# KiCad board Jumperless2.kicad_pcb (continued)
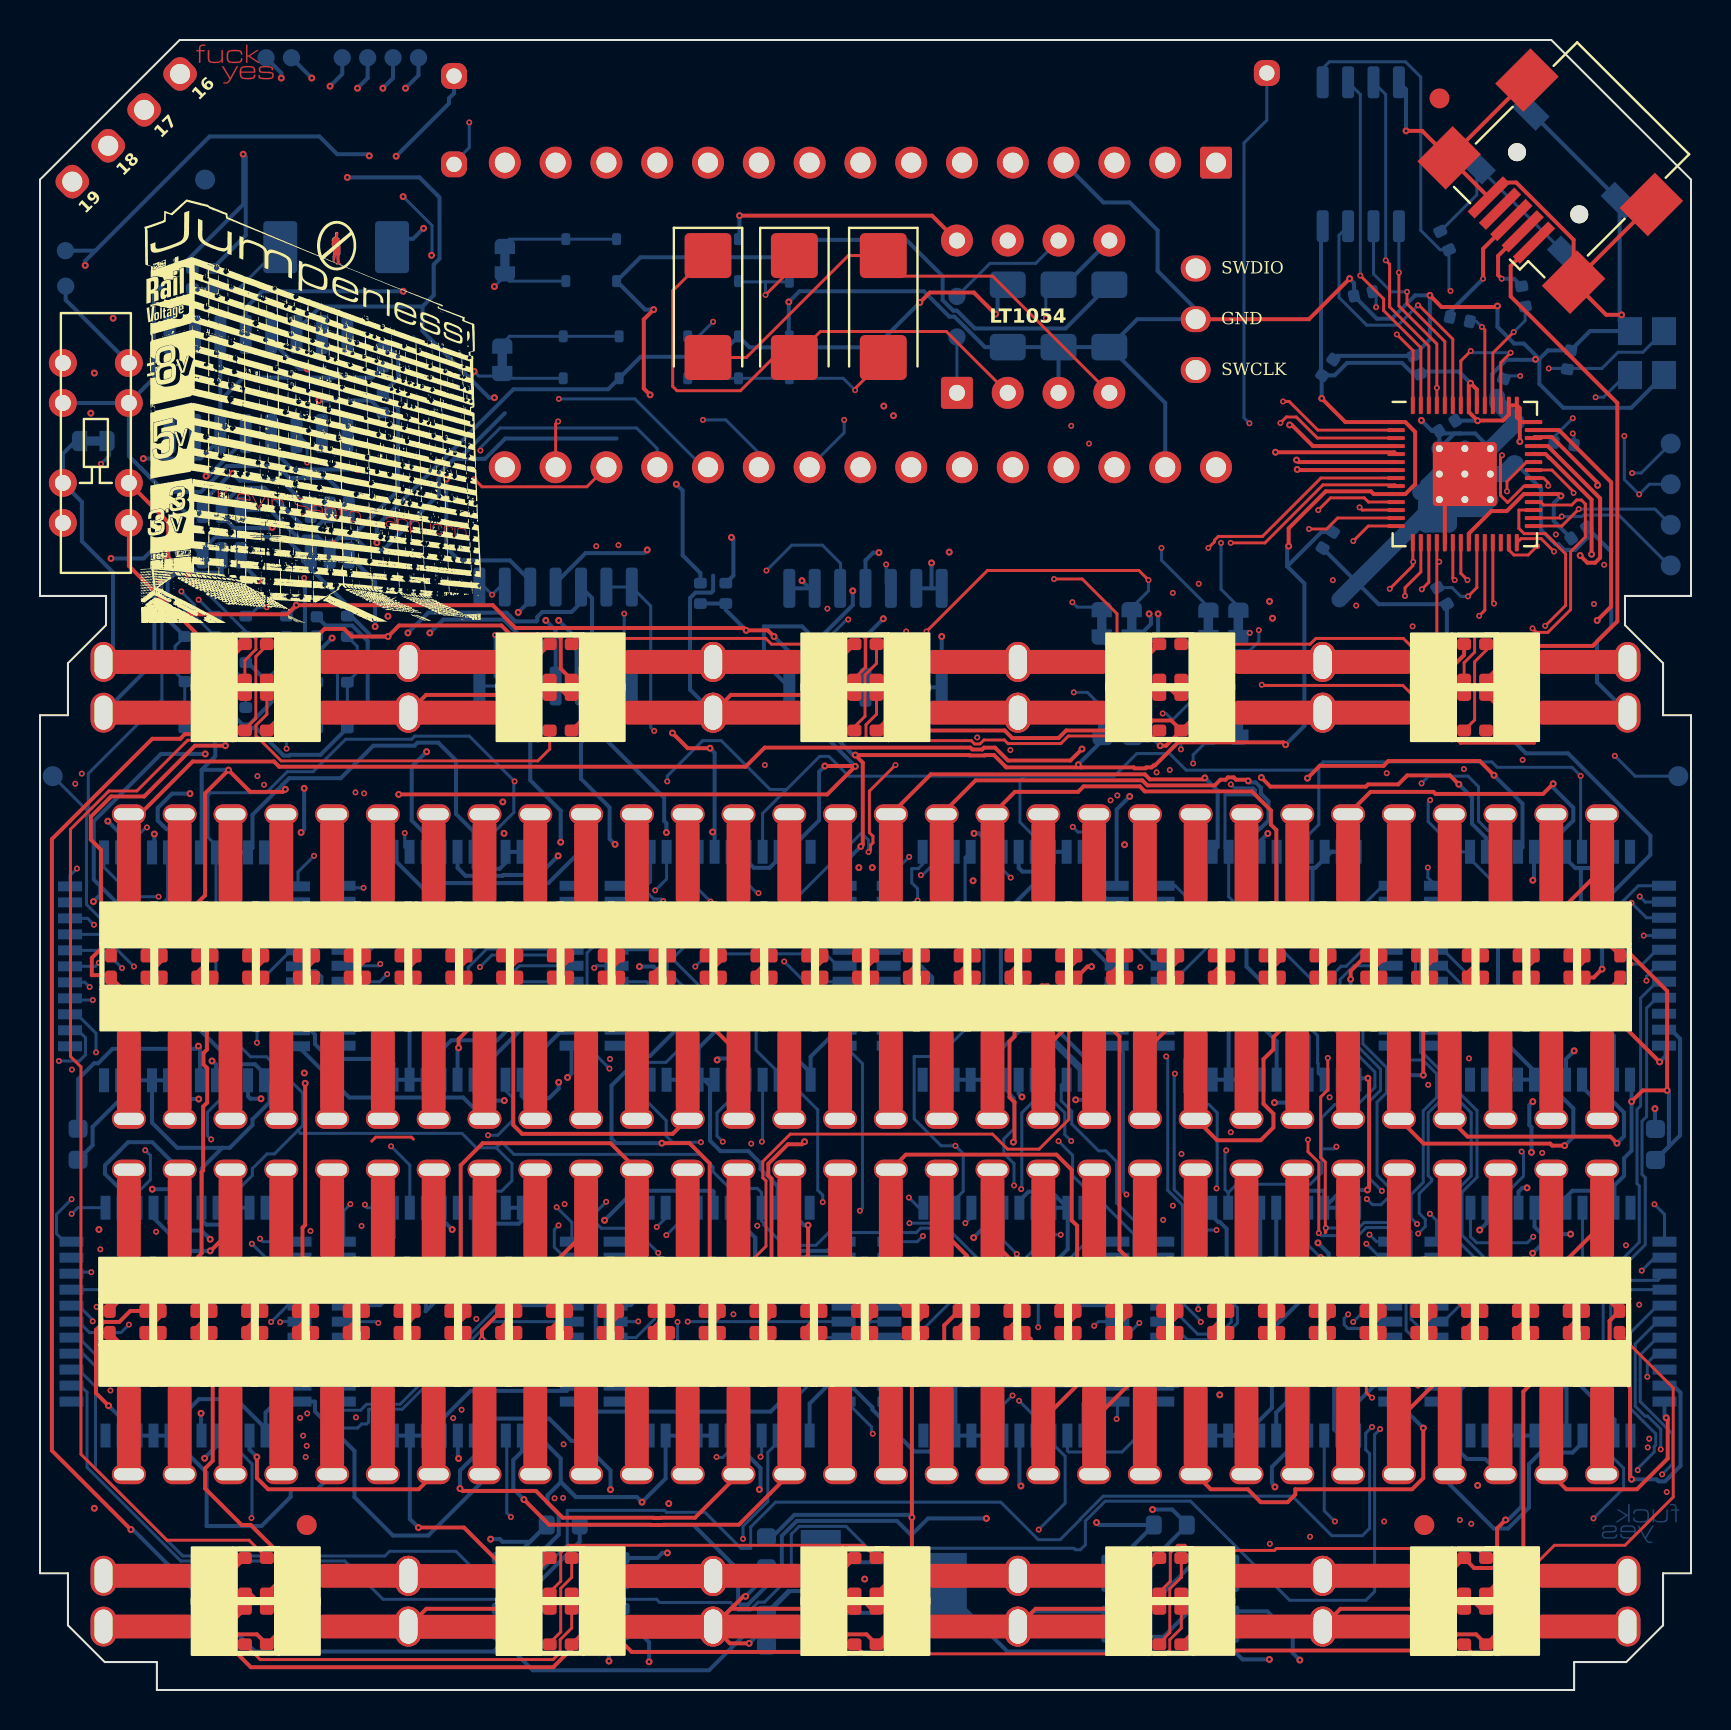
[diagram p0: board, top side]
## Routing (per net, layer and track width the routed paths; a pad name or vN(x,y) marks a point on that pad's centre or on a via; arc(x,y) is an arc through that point) (continued)
/EF1: length 18.6
  Bottom w0.15: F5.6 22.49,18.43 18.11,14.05 16.43,14.05 16.43,13.41 16.33,13.31 16.08,13.31 15.88,13.11 15.04,13.11 14.07,14.07 14.07,16.08 13.33,16.83
/EG0: length 91.8
  Top w0.15: v1(66.53,16.02) 66.32,15.81 66.32,14.88 66.55,14.66 66.57,14.66 v1(66.6,14.63)
  In2.Cu w0.15: v1(65.66,18.41) 66.5,17.58 66.5,16.18 ; v1(66.6,13.16) 66.5,13.26 66.5,14.55 66.57,14.63 v1(66.6,14.63)
  Bottom w0.15: v1(66.6,13.16) 66.29,12.84 66.29,12.02 66.48,11.83 66.48,8.09 66.12,7.72 64.59,7.72 62.61,9.7 53.16,9.7 52.02,8.56 52.02,8.53 51,7.52 49.91,7.52 48.04,9.4 36.78,9.4 35.53,8.15 35.53,7.09 35.05,7.09 33.25,8.89 31.33,8.89 31.23,8.99 26.36,8.99 26.36,7.26 25.18,6.08 22.58,6.08 22.56,6.1 21.64,6.1 20.8,6.94 17.48,6.94 17.25,6.71 7.14,6.71 2.77,11.07 2.77,15.18 1.93,16.03 ; G1.5 66.47,19.23 v1(65.66,18.41)
/EG1: length 96.5
  In2.Cu w0.15: v1(65.41,18.8) 65.21,18.59 65.21,18.28 66.14,17.35 66.14,15.63 67.01,14.76 v1(67.01,13.06)
  Bottom w0.15: 2.02,15.23 2.35,14.89 2.35,11.14 7.04,6.45 15.24,6.45 17.15,4.54 30.83,4.54 30.99,4.38 34.53,4.38 34.91,4 35.51,4 35.91,4.39 36.23,4.39 37.57,5.73 37.57,7.8 37.96,8.19 40.3,8.19 41.4,7.09 51.69,7.09 51.77,7.02 52.02,7.02 52.27,7.27 52.27,8.46 53.26,9.45 57.52,9.45 62.48,4.49 66.29,4.49 66.73,4.93 66.73,12.78 v1(67.01,13.06) ; 67.16,18.43 66.82,18.09 65.4,18.09 65.21,18.28 65.21,18.59 v1(65.41,18.8)
/EH0: length 91.2
  In1.Cu w0.15: v1(13.34,12.22) 13.4,12.28 25.51,12.28 25.88,12.65 29.06,12.65 29.21,12.49 33.79,12.49 34.04,12.24 34.14,12.24 34.27,12.11 36.43,12.11 37.02,11.52 79.36,11.52 v1(79.88,11)
  In2.Cu w0.15: v1(11,22.58) 11.15,22.58 13.86,19.87 13.86,14.35 14.14,14.06 14.14,13.03 v1(13.34,12.22)
  Bottom w0.15: E1.1 11.15,22.43 v1(11,22.58) ; 80.87,19.23 79.51,17.87 79.51,17.42 79.51,14.09 80.15,13.46 80.79,12.82 80.79,12.25 80.71,12.18 80.71,11.91 79.88,11.08 v1(79.88,11)
/EH1: length 90.1
  In1.Cu w0.15: v1(13.16,12.73) 25.6,12.73 25.77,12.9 29.16,12.9 29.32,12.74 33.89,12.74 34.14,12.49 34.25,12.49 34.38,12.36 38.04,12.36 38.58,11.81 80.81,11.81 v1(81.04,12.04)
  In2.Cu w0.15: v1(13.16,12.73) 13.84,13.41 13.84,13.94 13.56,14.22 13.56,19.74 12.02,21.29 11.63,21.29 v1(10.59,22.33)
  Bottom w0.15: v1(81.04,12.04) 81.04,13.05 80.38,13.71 80.25,13.71 79.76,14.2 79.76,17.32 80.87,18.43 ; E1.2 11.29,21.63 v1(10.59,22.33)
/FG0: length 55.2
  In1.Cu w0.15: v1(16.72,15.89) 17.01,15.6 19.74,15.6 20.03,15.89 29.92,15.89 30.15,16.12 30.56,16.12 30.94,15.74 39.54,15.74 40.31,16.51 43.71,16.51 43.84,16.63 44.66,16.63 44.8,16.76 49.96,16.76 50.14,16.94 52.02,16.94 52.22,16.74 55.7,16.74 57.18,15.27 58.01,15.27 58.37,15.62 58.37,15.65 59.38,16.66 65.05,16.66 v1(65.13,16.58)
  Bottom w0.15: v1(16.72,15.89) 16.72,15.95 16.68,15.95 16.61,16.03 16.28,16.03 16.18,15.93 15.85,15.93 15.75,16.03 F5.25 ; v1(65.13,16.58) 65.8,17.25 67.14,17.25 G1.7
/FG1: length 56
  In1.Cu w0.15: v1(61.01,15.62) 60.48,15.09 59.45,15.09 59.37,15.17 58.82,15.17 58.59,14.94 58.59,14.8 58.37,14.58 55.09,14.58 54.05,15.62 45.19,15.62 44.55,16.26 43.82,16.26 43.82,16.26 40.41,16.26 39.65,15.49 30.84,15.49 30.46,15.87 30.25,15.87 30.02,15.64 20.14,15.64 19.84,15.35 16.91,15.35 16.91,15.35 16.66,15.35 v1(16.41,15.6)
  Bottom w0.15: v1(61.01,15.62) 61.01,16.18 61.98,17.14 64.01,17.14 64.9,16.26 65.74,16.26 66.24,16.76 67.45,16.76 ; F5.24 16.04,15.23 v1(16.41,15.6)
/FH0: length 81.8
  In1.Cu w0.15: v1(81.11,10.79) 80,9.68 64.19,9.68 63.94,9.43 48.56,9.43 48.27,9.72 42.16,9.72 41.87,9.43 31.9,9.43 31.6,9.73 31.27,9.73 30.56,9.02 26.75,9.02 v1(26.16,9.61)
  In2.Cu w0.15: v1(26.16,9.61) 26.16,11.06 26.85,11.76 26.85,23.13 v1(25.83,24.16)
  Bottom w0.15: v1(25.83,24.16) 26.59,23.4 F5.1 ; v1(81.11,10.79) 81.64,11.32 81.64,12.8 80.01,14.43 80.01,16.77 80.87,17.63
/FH1: length 80.8
  In1.Cu w0.15: v1(25.73,9.59) 25.73,9.51 26.44,8.8 26.62,8.8 26.65,8.77 42.13,8.77 42.43,9.07 48,9.07 48.29,8.78 52.64,8.78 52.64,8.78 53.01,8.78 53.16,8.63 56.78,8.63 57.01,8.86 69.43,8.86 69.88,9.31 71.68,9.31 71.76,9.38 80.55,9.38 80.58,9.42 80.85,9.42 v1(81.34,9.91)
  In2.Cu w0.15: v1(81.34,9.91) 81.64,10.21 81.64,12.47 80.39,13.72 80.39,15.65 v1(80.37,15.67) ; v1(25.73,9.59) 25.83,9.7 25.83,11.16 26.55,11.88 26.55,22.62 v1(25.93,23.25)
  Bottom w0.15: v1(80.37,15.67) 80.37,16.37 80.82,16.83 ; v1(25.93,23.25) 25.72,23.04 25.72,22.16 26.24,21.63
/GH0: length 10.4
  In2.Cu w0.15: v1(68.43,15.6) 67.94,16.09 67.94,21.32 v1(66.47,22.78)
  Bottom w0.15: v1(66.47,22.78) 66.83,22.43 G1.1 ; v1(68.43,15.6) 69.04,15.6 69.47,16.03
/GH1: length 10.5
  In2.Cu w0.15: v1(68.89,15.23) 68.26,15.23 67.69,15.8 67.69,20.96 v1(66.32,22.33)
  Bottom w0.15: 67.02,21.63 v1(66.32,22.33) ; H1.24 v1(68.89,15.23)
/QSPI_SCLK: length 10.9
  Top w0.15: U9.52 70.24,67.46 68.35,69.35 v1(68.35,69.95)
  Bottom w0.15: v1(68.35,69.95) 67.56,69.95 66.67,70.84 U8.6
/QSPI_SD0: length 9.8
  Top w0.15: v1(67.95,70.92) 67.95,69.24 69.84,67.34 v1(69.84,65.15) U9.53
  Bottom w0.15: U8.5 v1(67.95,70.92)
/QSPI_SD1: length 17.7
  Top w0.15: U9.55 69.04,67.15 67.18,69.02 67.18,69.6 v1(66.01,70.76)
  Bottom w0.15: U8.2 66.01,79.83 v1(66.01,70.76)
/QSPI_SD2: length 17.3
  Top w0.15: v1(67.28,71.53) 67.48,71.33 67.48,69.2 69.44,67.24 U9.54
  Bottom w0.15: U8.3 67.28,79.83 v1(67.28,71.53)
/QSPI_SD3: length 14.4
  Top w0.15: 70.64,64.28 70.64,67.59 68.95,69.28 v1(68.9,69.28)
  Bottom w0.15: v1(68.9,69.28) 67.9,68.28 66.34,68.28 64.95,69.67 64.95,72.78 U8.7
/QSPI_SS: length 24.4
  Top w0.15: 68.64,64.27 68.64,66.61 68.66,66.62 68.66,67.01 v1(67.84,67.82)
  In1.Cu w0.15: v1(70.53,70) 70.53,69.94 68.4,67.82 v1(67.84,67.82)
  Bottom w0.15: v1(70.53,70) 70.45,70.08 R5.1 70.01,72.05 69.04,73.02 69.04,80.7 68.27,81.46 64.47,81.46 64.14,81.13
/SWCLK: length 30.8
  Top w0.15: U9.24 72.24,54.02 v1(71.96,53.74)
  In1.Cu w0.15: v1(56.64,54.89) 62.89,54.89 64.2,53.57 71.79,53.57 v1(71.96,53.74)
  In2.Cu w0.15: 57.53,65.58 57.56,65.56 57.56,55.8 v1(56.64,54.89)
/SWD: length 35.3
  Top w0.15: 72.64,57.4 72.64,54.41 v1(72.7,54.36)
  In1.Cu w0.15: v1(57.94,55.35) 62.78,55.35 64.31,53.82 71.09,53.82 71.63,54.36 v1(72.7,54.36)
  In2.Cu w0.15: v1(57.94,55.35) 57.81,55.48 57.81,64.01 58.81,65.01 58.81,70.09 J1.3
/USB_D+: length 6.1
  Top w0.2: 73.57,73.52 72.15,72.1 v1(72.15,70.6)
  Bottom w0.2: R2.1 70.5,68.94 v1(72.15,70.6)
/USB_D-: length 4.1
  Top w0.2: J5.2 72.9,71.75 72.9,70.79 v1(73.09,70.6)
  Bottom w0.2: R3.1 73.7,70.6 v1(73.09,70.6)
/XIN: length 28.3
  Top w0.15: v1(70.73,55.53) 70.64,55.62 70.64,57.4
  In1.Cu w0.15: v1(74.01,65.74) 75.36,64.39 77.5,64.39 v1(77.78,64.68) ; v1(77.7,54.33) 76.96,55.07 71.19,55.07 v1(70.73,55.53)
  In2.Cu w0.15: v1(77.78,64.68) 79.54,62.91 79.54,62.6 79.26,62.32 79.26,56.6 77.7,55.04 v1(77.7,54.33)
  Bottom w0.15: v1(77.78,64.68) 78.18,64.68 79.29,65.79 ; 73.33,65.74 v1(74.01,65.74)
/XOUT: length 19.4
  Top w0.15: U9.21 71.04,55.86 v1(71.37,55.53)
  In1.Cu w0.15: v1(78.21,56.29) 77.33,55.42 71.48,55.42 v1(71.37,55.53)
  In2.Cu w0.15: v1(76.64,63.63) 78.94,61.32 78.94,57.03 v1(78.21,56.29)
  Bottom w0.15: 75.76,62.42 75.76,62.75 v1(76.64,63.63)
/~{USB_BOOT}: length 10.3
  Bottom w0.15: R5.2 71.84,74.81 SW1.2 SW1.2
A0: length 80.8
  In1.Cu w0.15: v1(20.65,38.46) 20.86,38.68 23.97,38.68 23.98,38.67 v1(29.96,38.67) 30.03,38.74 36.9,38.74 37.09,38.93 37.13,38.93 37.35,39.15 43.6,39.15 v1(43.63,39.19)
  In2.Cu w0.15: v1(43.63,39.19) 44,38.81 44,37.61 44.1,37.51 44.1,35.19 43.61,34.7 43.61,34.42 42.88,33.69 42.88,32.94 43.62,32.2 43.62,25.73 42.97,25.09 42.97,22.38 v1(43.87,21.49) ; v1(20.65,38.46) 20.9,38.71 20.9,58.36 22.55,60.01 22.55,60.46 22.02,60.99 v1(22.02,62.01)
  Bottom w0.15: A1.19 30.86,62.1 29.82,63.14 23.01,63.14 22.02,62.15 v1(22.02,62.01) ; I1.31 29.93,38.63 v1(29.96,38.67) ; K1.31 43.21,20.83 v1(43.87,21.49)
A1: length 78.9
  In1.Cu w0.15: v1(43.74,20.75) 43.12,20.75 42.23,21.64 39.77,21.64 39.76,21.65 33.87,21.65 32.53,20.31 30.45,20.31 v1(30.22,20.54) 30.12,20.43 28.14,20.43 28.14,20.56 27.93,20.76 27.64,20.76 27.49,20.61 26.07,20.61 25.73,20.95 23.97,20.95 v1(23.7,20.69)
  In2.Cu w0.15: v1(25.94,64.59) 24.77,63.42 24.77,45.19 23.69,44.12 23.69,43.15 23.55,43.01 23.55,41.9 23.42,41.78 23.42,41.44 23.35,41.36 23.35,41.21 23.22,41.08 23.22,37.94 23.91,37.24 23.91,29.19 23.6,28.87 23.6,20.79 v1(23.7,20.69)
  Bottom w0.15: v1(25.94,64.59) 29.74,64.59 33.16,61.17 A1.20 ; 42.87,20.03 43.25,20.41 43.25,20.52 43.48,20.75 v1(43.74,20.75) ; v1(30.22,20.54) 29.71,20.03 J6.30
A2: length 69.8
  In1.Cu w0.15: v1(31.72,38.35) 35.7,38.35 35.79,38.26 35.79,38.21 36,38 36.05,38 36.62,37.43 45.16,37.43 v1(45.78,38.06)
  In2.Cu w0.15: v1(31.72,38.35) 32.06,38.69 32.06,42.76 31.31,43.51 31.31,44.12 32.17,44.97 32.17,62.56 v1(33.15,63.54) ; v1(45.78,38.06) 45.78,34.35 46.16,33.98 46.16,25.73 45.64,25.22 45.64,21.58 v1(43.69,19.62)
  Bottom w0.15: v1(33.15,63.54) 34.29,63.54 35.94,61.89 A1.21 ; K1.29 43.29,19.23 v1(43.69,19.62) ; I1.29 30.4,37.03 v1(31.72,38.35)
A3: length 75.7
  In1.Cu w0.15: v1(31.88,18.41) 31.81,18.34 30.01,18.34 v1(29.91,18.44) ; v1(30.36,15.44) 30.56,15.24 40.77,15.24 v1(41.4,15.88)
  In2.Cu w0.15: v1(40.21,63.54) 40.05,63.38 40.05,53.81 40.03,53.8 40.03,45.16 41.08,44.12 41.08,43.51 40.54,42.98 40.54,29.53 41.08,28.99 41.08,25.73 40.44,25.09 40.44,16.84 v1(41.4,15.88)
  Bottom w0.15: J6.28 29.9,18.43 v1(29.91,18.44) ; K1.28 41.53,18.43 41.4,18.3 v1(41.4,15.88) ; A1.22 40.21,62.9 v1(40.21,63.54) ; v1(31.88,18.41) 31.88,17.4 32.64,16.64 32.64,16 32.08,15.44 v1(30.36,15.44)
A4: length 43.8
  In1.Cu w0.15: v1(31.78,33.91) 31.78,34.32 31.84,34.38 32.58,34.38 32.69,34.48 37.38,34.48 37.98,33.89 41.36,33.89 v1(41.45,33.8)
  In2.Cu w0.15: A1.23 41.99,60.21 41.99,57.86 41.47,57.34 41.47,42.91 42.22,42.16 42.22,34.56 v1(41.45,33.8)
  Bottom w0.15: L1.25 41.49,33.83 v1(41.45,33.8) ; v1(31.78,33.91) 31.57,33.91 31.48,34 31.48,34.28 30.33,35.43 I1.27
A5: length 63.7
  In1.Cu w0.15: v1(37.86,16.06) 35.57,16.06 35.27,16.37 v1(31.99,16.37) ; v1(38.73,33.55) 38.93,33.36 43.31,33.36 v1(43.58,33.64)
  In2.Cu w0.15: v1(38.73,33.55) 39.06,33.23 39.06,28.94 38.98,28.85 38.98,28.3 39.06,28.21 39.06,26.4 38.98,26.31 38.98,25.76 39.75,24.98 39.75,17.95 v1(37.86,16.06) ; A1.24 44.58,60.16 44.58,57.51 43.71,56.64 43.71,43.37 44.4,42.68 44.4,38.45 44.26,38.31 44.26,37.73 44.4,37.6 44.4,35.07 43.91,34.58 43.91,34.3 43.58,33.97 v1(43.58,33.64)
  Bottom w0.15: v1(31.99,16.37) 31.53,16.83 J6.26 ; L1.24 42.98,33.03 v1(43.58,33.64)
A6: length 35.3
  In1.Cu w0.15: v1(45.96,38.89) 45.93,38.86 37.52,38.86 v1(37.24,38.58)
  In2.Cu w0.15: v1(45.96,38.89) 45.9,38.95 45.9,43.26 46.16,43.51 46.16,56.26 47.24,57.34 47.24,60.03 A1.25
  Bottom w0.15: v1(37.24,38.58) 37.81,38.01 39.25,38.01 39.88,38.63
A7: length 57.3
  In1.Cu w0.15: v1(37.97,20.83) 38.43,20.83 38.74,21.14 42.02,21.14 43.22,19.95 48.23,19.95 v1(48.51,20.23)
  In2.Cu w0.15: A1.26 49.78,60.03 49.78,56.9 47.84,54.95 47.84,44.68 47.99,44.54 48.28,44.54 48.7,44.12 48.7,41.01 48.91,40.8 48.91,40.49 48.78,40.36 48.78,34.82 48.7,34.74 48.7,28.27 48.11,27.68 48.11,26.93 48.7,26.34 48.7,25.73 48.11,25.14 48.11,20.64 v1(48.51,20.23)
  Bottom w0.15: v1(37.97,20.83) 39.03,20.83 39.83,20.03
ADC_BUFFERED_5V_0: length 49.1
  Top w0.2: U9.38 75.28,61.83 75.48,61.63 75.5,61.63 77.58,59.55 v2(77.58,56.82)
  In1.Cu w0.2: v2(38.1,55.5) 40.55,55.5 40.98,55.93 55.59,55.93 55.6,55.92 66.24,55.92 66.61,55.56 70.06,55.56 70.43,55.93 73.78,55.93 73.94,55.77 76.55,55.77 77.58,56.8 v2(77.58,56.82)
  Bottom w0.2: v2(38.1,55.5) 38.48,55.11 U11.2 U11.1
ADC_BUFFERED_5V_1: length 44.4
  Top w0.2: v2(77.01,56.76) 77.37,56.4 77.76,56.4 78,56.65 78,59.62 75.39,62.23 U9.39
  In1.Cu w0.2: v2(77.01,56.76) 76.37,56.12 74.08,56.12 73.91,56.29 70.3,56.29 69.92,55.91 66.75,55.91 66.44,56.22 55.72,56.22 55.55,56.39 46.57,56.39 46.47,56.29 44.67,56.29 v2(44.58,56.39)
  Bottom w0.2: 44.58,55.11 v2(44.58,56.39) ; 44.58,55.11 U11.6 ; 44.58,55.11 U11.7
ADC_BUFFERED_5V_2: length 48.4
  Top w0.2: v2(77.88,60.27) 77.88,60.4 75.59,62.68 74.73,62.68 U9.40
  In1.Cu w0.2: v2(77.88,60.27) 76.91,61.25 74.16,61.25 72.74,62.66 66.98,62.66 61.36,57.04 59.68,57.04 59.68,57.04 58.81,57.04 58.56,56.79 58.56,56.78 58.55,56.77 55.95,56.77 55.78,56.94 45.47,56.94 v2(45.46,56.93)
  In2.Cu w0.2: v2(45.46,56.93) 45.09,56.55 v2(45.09,52.7)
  Bottom w0.2: v2(45.09,52.7) U11.8 U11.9
ADC_BUFFERED_+-8V_3: length 65.3
  Top w0.2: U9.41 75.95,63.03 78.56,60.42 78.56,54.21 v2(77.86,53.51)
  In1.Cu w0.2: v2(40.64,54.99) 40.65,54.98 51.56,54.98 51.57,54.99 52.2,54.99 54.7,52.49 60.96,52.49 61.12,52.65 73.59,52.65 73.62,52.61 76.96,52.61 v2(77.86,53.51)
  Bottom w0.2: U11.14 36.2,51.44 36.2,53.21 38.1,53.21 38.73,52.58 U11.13 38.73,52.38 40.64,54.28 v2(40.64,54.99)
ADC_UNBUFFERED_5V_0: length 83.6
  In1.Cu w0.2: v2(23.14,44.43) 23.4,44.17 23.4,43.06 v2(23.2,42.86) ; v2(44.61,34.29) 44.61,33.96 43.69,33.04 36.18,33.04 35.06,34.16 32.83,34.16 31.64,32.98 30.76,32.98 v2(30.3,33.43) 30,33.73 23.55,33.73 v2(23.47,33.66)
  In2.Cu w0.2: v2(23.14,44.43) 23.32,44.61 23.32,45.25 23.38,45.3 23.38,53.38 v2(23.91,53.91) ; v2(23.2,42.86) 22.87,42.53 22.87,39.7 22.31,39.14 22.31,39.04 22.29,39.01 22.29,38.94 22.16,38.81 22.16,38.08 23.47,36.76 v2(23.47,33.66) ; v2(18.28,80.14) 22.17,76.24 22.17,62.66 20.31,60.8 v2(20.31,60.58)
  Bottom w0.2: L1.29 43.23,37.03 44.61,35.66 v2(44.61,34.29) ; v2(20.31,60.58) 20.31,57.16 20.95,56.51 23.5,56.51 24.51,55.5 24.51,55.45 ; TP9.1 18.92,80.78 v2(18.28,80.14) ; I1.24 29.9,33.03 v2(30.3,33.43) ; v2(23.91,53.91) 23.91,53.91 24.51,54.51
ADC_UNBUFFERED_5V_1: length 96.1
  In1.Cu w0.2: v2(41.62,41.15) 41.62,41.15 41.62,41.36 41.48,41.5 41.19,41.5 40.91,41.78 29.28,41.78 v2(28.75,42.31)
  In2.Cu w0.2: v2(41.62,41.15) 41.62,38.78 v2(41.21,38.38) ; v2(28.75,42.31) 29.24,41.83 29.24,36.63 29.2,36.59 29.2,29.32 29.18,29.32 28.75,28.89 28.75,28.26 29.24,27.77 29.24,27.18 28.75,26.69 28.75,18.25 v2(30.52,16.47) ; v2(17.15,80.14) 17.52,80.51 18.43,80.51 20.92,78.02 23.58,78.02 24.51,77.09 24.51,70.92 26.9,68.52 26.9,54.48 v2(25.93,53.51)
  Bottom w0.2: v2(17.15,80.14) 17.65,80.64 TP10.1 ; v2(25.93,53.51) 26.83,52.61 26.83,50.45 U7.10 27.05,45.59 28.48,44.16 28.48,42.58 v2(28.75,42.31) ; 42.08,36.23 41.21,37.1 v2(41.21,38.38) ; 29.28,15.23 v2(30.52,16.47)
ADC_UNBUFFERED_5V_2: length 97.8
  In1.Cu w0.2: v2(40.94,41.15) 40.89,41.09 27.36,41.09 v2(26.04,42.42) ; v2(50.24,34.88) 50.07,35.05 41.7,35.05 v2(41.32,34.67)
  In2.Cu w0.2: v2(19.49,52.88) 19.49,60.48 20.91,61.9 20.91,74.8 15.88,79.84 v2(15.88,80.14) ; v2(40.94,41.15) 40.84,41.04 40.84,35.15 v2(41.32,34.67) ; v2(50.24,34.88) 50.88,34.25 50.88,29.27 51.27,28.89 51.27,28.25 50.87,27.86 50.76,27.86 50.53,27.62 50.53,27.29 50.76,27.06 50.98,27.06 51.6,26.43 51.6,25.13 52.55,24.18 v2(52.55,20.86)
  Bottom w0.2: v2(19.49,52.88) 20.16,53.55 23.18,53.55 23.59,53.14 23.59,53.14 24.51,52.22 U7.12 24.51,45.52 26.04,43.99 v2(26.04,42.42) ; 42.08,35.43 v2(41.32,34.67) ; TP11.1 16.38,80.64 v2(15.88,80.14) ; v2(52.55,20.86) 53.32,21.63 K1.2
ADC_UNBUFFERED_+-8V_3: length 84.2
  In1.Cu w0.2: v2(46.65,40.49) 44.52,42.63 41.83,42.63 40.72,42.63 40.6,42.5 31.72,42.5 v2(31.32,42.9)
  In2.Cu w0.2: v2(46.73,34.08) 46.73,34.19 46.19,34.73 46.19,35.62 46.06,35.75 46.06,37.71 46.19,37.84 46.19,38.5 46.7,39 46.7,40.45 v2(46.65,40.49) ; v2(14.5,80.24) 15.01,80.24 19.98,75.27 19.98,61.82 18.4,60.24 v2(18.4,52.88)
  Bottom w0.2: v2(18.4,52.88) 19.41,53.9 23.33,53.9 23.49,53.74 23.49,53.74 23.77,53.46 24.82,53.46 24.87,53.51 24.87,53.69 25.11,53.93 26.58,53.93 27.05,54.41 ; v2(31.32,42.9) 31.32,43.36 31.21,43.47 31.21,44.63 27.6,48.24 27.6,54.63 U7.5 ; v2(46.73,34.08) 46.51,33.87 44.43,33.87 43.67,34.63 L1.26 ; v2(14.5,80.24) 15.11,80.85 TP12.1
AI: length 32.3
  In1.Cu w0.15: v1(2.7,38.29) 3.43,39.02 17.4,39.02 17.93,38.49 19.94,38.49 20.17,38.71 20.24,38.71 20.65,39.12 v1(30.81,39.12)
  Bottom w0.15: v1(2.7,38.29) 2.38,38.61 A2.31 ; v1(30.81,39.12) 30.3,39.12 29.18,40.23
AJ: length 50
  In1.Cu w0.15: v1(3.02,22.05) 3.49,21.57 8.67,21.57 8.91,21.8 8.91,21.82 8.96,21.87 27.31,21.87 27.35,21.91 28.04,21.91 28.08,21.87 v1(30.91,21.87)
  In2.Cu w0.15: v1(4.7,36.19) 4.7,32 3.12,30.42 3.12,25.56 3.91,24.76 3.91,22.94 v1(3.02,22.05)
  Bottom w0.15: v1(30.91,21.87) 30.35,22.43 J6.33 ; A2.30 3.09,37.81 v1(4.7,36.19)
AK: length 47.5
  In1.Cu w0.15: v1(13.52,22.97) 14.26,22.22 31.43,22.22 31.91,22.71 33.16,22.71 33.35,22.9 40.6,22.9 40.7,22.9 40.72,22.89 42.75,22.89 42.95,22.69 44.13,22.69 v1(44.15,22.71)
  In2.Cu w0.15: v1(13.52,22.97) 13.52,29.6 14.1,30.17 v1(14.1,34.42)
  Bottom w0.15: v1(44.15,22.71) 43.87,22.43 K1.33 ; v1(14.1,34.42) 14.1,35.68 13.78,36 13.11,36 A2.6
AL: length 45.1
  In1.Cu w0.15: v1(43.46,41.68) 42.52,40.75 36.89,40.75 36.81,40.66 16.28,40.66 16.26,40.64 2.31,40.64 v1(1.85,41.1)
  Bottom w0.15: A2.33 1.5,40.75 v1(1.85,41.1) ; L1.33 42.43,40.66 v1(43.46,41.68)
AREF: length 75.7
  Top w0.15: A1.18 27.35,60.2 22.1,60.2 v1(21.72,60.58)
  In1.Cu w0.15: v1(38.1,16.99) 37.49,17.59 24.4,17.59 23.7,16.89 23.7,16.83 23.51,16.64 23.24,16.64 23.19,16.69 19.03,16.69 v1(18.8,16.46)
  In2.Cu w0.15: v1(21.72,60.58) 20.45,59.31 20.45,45.95 18.61,44.12 18.61,43.51 19.23,42.9 19.23,29.49 18.61,28.88 18.61,25.73 18.21,25.34 18.21,20.81 18.8,20.23 v1(18.8,16.46)
  Bottom w0.15: J6.8 38.25,16.83 v1(38.1,16.99)
BI: length 19
  In1.Cu w0.15: v1(30.76,40) 19.51,40 v1(18.82,39.32)
  Bottom w0.15: I1.35 31.33,40.57 v1(30.76,40) ; v1(18.82,39.32) 16.54,37.03 B1.29
BJ: length 31.9
  In1.Cu w0.15: v1(30.84,23.16) 30.31,22.64 16.66,22.64 v1(16.08,23.22)
  In2.Cu w0.15: v1(16.08,23.22) 16.94,24.08 16.94,24.86 16.07,25.73 16.07,35.38 v1(17.01,36.33)
  Bottom w0.15: 31.28,23.61 v1(30.84,23.16) ; v1(17.01,36.33) 16.92,36.23 B1.28
BK: length 31.1
  In1.Cu w0.15: v1(43.47,23.36) 43.39,23.44 40.94,23.44 40.48,23.9 26.63,23.9 v1(26.23,24.31)
  In2.Cu w0.15: v1(25.53,34.14) 26.82,32.84 26.82,29.47 26.23,28.88 v1(26.23,24.31)
  Bottom w0.15: v1(25.53,34.14) 26.02,34.63 B1.8 ; 44.97,23.61 44.72,23.36 v1(43.47,23.36)
BL: length 30.3
  In1.Cu w0.15: v1(16.18,40.13) 16.41,40.36 36.93,40.36 37.02,40.45 43.72,40.45 v1(44.04,40.77)
  Bottom w0.15: v1(44.04,40.77) 44.12,40.77 44.93,41.58 ; v1(16.18,40.13) 15.28,40.13
BOTTOM_RAIL: length 134.7
  Top w0.2: SW2.7 6.41,58.42 v2(6.41,56.57) ; v2(8.31,33.27) 8.34,33.24 8.34,32.04 8.18,31.87 8.18,31.29 8.36,31.11 8.36,29.39 8.16,29.19 8.16,25.99 8.08,25.91 8.08,21.84 7.04,20.8 v2(6.3,20.8)
  In1.Cu w0.2: 18.43,5.7 J4.63 34.21,5.15 35.22,5.15 35.22,5.15 41.65,5.15 42.21,5.71 J4.63 ; 79,6.09 64.51,6.09 ; J4.63 J4.63 ; 63.66,6.19 49.37,6.19
  In2.Cu w0.2: J4.63 3.18,8.06 5.64,10.52 5.64,20.14 v2(6.3,20.8) ; v2(6.41,56.57) 5.56,55.72 5.56,48.92 8.31,46.17 v2(8.31,33.27)
CI: length 33.7
  In1.Cu w0.15: v1(33.53,39.45) 36.76,39.45 37.13,39.82 44.01,39.82 44.04,39.8 58.12,39.8 v1(59.56,38.35)
  Bottom w0.15: I1.37 32.93,40.05 v1(33.53,39.45) ; 56.64,35.44 v1(59.56,38.35)
CJ: length 53.8
  In1.Cu w0.15: v1(61.29,20.23) 60.82,19.76 52.1,19.76 50.95,20.91 48.14,20.91 47.73,20.5 44.5,20.5 43.87,21.13 43.09,21.13 42.33,21.89 39.87,21.89 39.86,21.9 33.77,21.9 33.58,21.71 33.37,21.71 v1(32.59,20.93)
  In2.Cu w0.15: v1(61.29,20.23) 61.28,20.24 61.28,25.61 61.42,25.75 61.42,29.03 60.96,29.49 60.96,34.63 v1(60.95,34.64)
  Bottom w0.15: v1(60.95,34.64) 60.39,35.2 59.2,35.2 58.63,34.64 C26.26 ; J6.37 32.88,21.22 v1(32.59,20.93)
CK: length 21.6
  In1.Cu w0.15: v1(56.16,23.52) 56.01,23.67 46.58,23.67 v1(46.27,23.36)
  In2.Cu w0.15: v1(57.02,33.2) 57.13,33.09 57.13,29.29 56.71,28.88 56.71,25.77 56.16,25.22 v1(56.16,23.52)
  Bottom w0.15: 46.57,23.66 v1(46.27,23.36) ; v1(57.02,33.2) 56.86,33.04 C26.24
CL: length 17.1
  In1.Cu w0.15: v1(57.97,39.03) 57.76,39.24 46.4,39.24 v1(46.28,39.13)
  Bottom w0.15: L1.37 46.25,41.65 46.25,39.16 v1(46.28,39.13) ; C26.33 56.76,40.24 v1(57.97,39.03)
CLK: length 238.1
  Top w0.15: v1(69.52,52.27) 69.84,52.6 U9.18
  In1.Cu w0.15: v1(1.58,23.82) 1.79,24.03 5.33,24.03 ; 43.38,24.36 42.27,24.36 41.81,24.81 28.63,24.81 ; 43.38,24.36 43.52,24.5 47.99,24.5 48.07,24.42 54.42,24.42 54.64,24.64 56.92,24.64 57.15,24.41 58.22,24.41 58.95,23.67 58.95,23.14 ; 43.38,24.36 43.44,24.42 v1(43.44,24.64) ; v1(5.93,39.69) 17.33,39.69 v1(17.87,39.15) 18.06,38.96 20.14,38.96 20.65,39.47 v1(31.17,39.47) 32.97,39.47 33.4,39.04 36.77,39.04 37.28,39.55 57.91,39.55 v1(58.37,39.09) 59.94,37.52 75.5,37.52 v1(75.99,38.01) ; 28.63,24.81 28.63,24.74 v1(28.31,24.42) ; 28.63,24.81 16.71,24.81 15.87,23.97 15.81,23.97 15.77,23.93 13.74,23.93 13.57,24.1 5.4,24.1 5.33,24.03 ; 5.33,24.03 5.81,23.56 v1(5.81,22.93) ; 58.95,23.14 v1(58.83,23.01) ; 58.95,23.14 59.63,23.82 59.8,23.82 59.85,23.87 65.05,23.87 65.5,23.41 67.04,23.41 67.98,22.47 74.27,22.47 74.47,22.68 v1(74.66,22.68)
  In2.Cu w0.15: v1(5.81,22.93) 6.06,23.18 6.06,25.22 5.84,25.44 5.84,39.6 v1(5.93,39.69) ; v1(69.52,52.27) 69.52,46.23 70.15,45.59 70.15,45.17 v1(69.51,44.52) ; v1(75.99,38.01) 75.99,29.52 76.64,28.88 76.64,25.22 76.64,25.22 76.64,24.65 v1(74.66,22.68)
  Bottom w0.15: v1(43.44,24.64) 43.95,24.13 K1.34 ; v1(5.93,39.69) 4.67,39.69 3.2,41.16 A2.34 ; D70.34 70.92,41.94 69.41,43.44 69.41,44.42 v1(69.51,44.52) ; 71.5,41.59 75.08,38.01 v1(75.99,38.01) ; B1.34 16.88,40.14 v1(17.87,39.15) ; G1.34 57.81,23.38 58.18,23.01 v1(58.83,23.01) ; I1.34 30.53,40.44 30.18,40.08 30.68,39.57 31.06,39.57 v1(31.17,39.47) ; v1(16.25,24.28) 16.25,24.24 16.36,24.13 F5.34 ; v1(43.88,39.5) 43.88,40.09 43.59,40.39 43.59,41.1 43.9,41.1 43.91,41.09 43.91,41.09 44.13,41.31 L1.34 ; E1.34 1.89,24.13 v1(1.58,23.82) ; 30.48,23.78 29.8,23.1 28.06,23.1 27.83,23.34 27.83,23.95 v1(28.31,24.42) ; v1(58.37,39.09) 57.83,39.62 C26.34 ; H1.34 71.52,22.68 71.83,22.38 74.36,22.38 v1(74.66,22.68)
  vias: v1(69.96,56.44)
CS_A: length 94.5
  Top w0.15: U9.8 64.04,60.63 61.12,57.71 58.92,57.71 58.73,57.52 58.73,57.45 v1(58.42,57.14)
  In1.Cu w0.15: v1(8.56,27.54) 9.33,26.78 17.63,26.78 17.64,26.76 19.02,26.76 19.03,26.75 49.51,26.75 49.51,26.76 50.82,26.76 50.82,26.75 51.77,26.75 51.84,26.82 v1(57.07,26.82)
  In2.Cu w0.15: v1(58.42,57.14) 58.94,56.62 58.94,28.24 57.51,26.82 v1(57.07,26.82)
  Bottom w0.15: v1(8.56,27.54) 8.38,27.73 8.38,28.91 9.6,30.13
CS_B: length 80.2
  Top w0.15: U9.9 67.74,60.29 64.15,60.29 61.25,57.39 v1(59.53,57.39)
  In1.Cu w0.15: v1(59.54,27.9) 59.45,27.81 22.46,27.81 v1(22.4,27.76)
  In2.Cu w0.15: v1(59.54,27.9) 59.18,28.26 59.18,57.04 v1(59.53,57.39)
  Bottom w0.15: v1(22.4,27.76) 22.89,27.76 23.62,28.48 23.62,29.65 23.28,29.99 B1.14
CS_C: length 35.7
  Top w0.15: U9.11 66.42,59.43 66.21,59.64 64.53,59.64 v1(63.91,59.03)
  In2.Cu w0.15: 63.81,55.6 63.81,58.93 v1(63.91,59.03) ; 63.81,55.6 64.57,55.6 v1(64.64,55.52) ; 63.81,55.6 63.81,52.7 61.79,50.68 61.79,43.44 62.09,43.14 62.09,42.56 61.82,42.29 61.82,34.8 v1(62.68,33.94)
  Bottom w0.15: v1(62.68,33.94) 63.88,32.74 63.88,31.36 63.91,31.33 63.91,30.86 C26.14
CS_D: length 40.4
  Top w0.15: v1(65.98,59.17) 66.11,59.03 U9.12
  In1.Cu w0.15: v1(65.98,59.17) 67.33,57.81 v1(75.79,57.81)
  In2.Cu w0.15: v1(77.18,33.52) 76.64,34.06 76.64,44.12 76.31,44.44 76.31,57.29 v1(75.79,57.81)
  Bottom w0.15: v1(77.18,33.52) 77.9,32.8 D70.14
CS_E: length 112.9
  Top w0.15: U9.13 64.88,58.63 64.34,58.09 v1(63.45,58.09)
  In1.Cu w0.15: v1(61.49,7.32) 36.3,7.32 35.69,7.92 23.62,7.92 22.95,8.6 v1(10.58,8.6)
  In2.Cu w0.15: v1(63.45,58.09) 63.45,52.69 61.52,50.76 61.52,43.29 61.79,43.02 61.79,42.68 61.56,42.45 61.56,33.84 62.31,33.09 62.31,29.39 61.72,28.8 61.72,21.17 61.58,21.03 61.58,20.38 61.66,20.3 61.66,10.76 61.11,10.21 61.11,7.7 v1(61.49,7.32)
  Bottom w0.15: 9.68,12.23 10.6,11.31 10.6,8.63 v1(10.58,8.6)
CS_F: length 99.4
  Top w0.15: v1(65.66,57.48) 66.41,58.23 U9.14
  In1.Cu w0.15: v1(63.5,7.67) 50.29,7.67 50.22,7.6 36.36,7.6 35.79,8.17 24.03,8.17 v1(23.54,8.66)
  In2.Cu w0.15: 65.66,54.33 65.66,45.78 64.3,44.41 64.3,38.58 64.46,38.42 64.46,34.82 63.75,34.12 63.75,33.72 63.76,33.71 63.76,29.75 64.29,29.22 64.29,24.12 63.27,23.1 63.27,19.58 63.98,18.87 63.98,17.68 63.82,17.52 63.82,16.24 63.98,16.07 63.98,11.76 64.29,11.45 64.29,9.65 63.5,8.85 v1(63.5,7.67) ; 65.66,54.33 v1(65.66,57.48) ; 65.66,54.33 65.74,54.33 v1(65.81,54.25)
  Bottom w0.15: v1(23.54,8.66) 23.34,8.86 23.34,12.68
CS_G: length 58.9
  Top w0.15: 68.64,57.4 68.64,56.25 v1(67.49,55.09)
  In1.Cu w0.15: v1(64.74,8.43) v1(67.21,8.43)
  In2.Cu w0.15: v1(67.21,8.43) 66.87,8.77 66.87,11.1 67.44,11.66 67.44,20.29 65.96,21.77 65.96,22.83 67.44,24.31 67.44,25.17 66.84,25.77 66.84,28.84 67.3,29.31 67.3,36.76 66.87,37.19 66.87,54.47 v1(67.49,55.09)
  Bottom w0.15: G1.14 64.21,8.97 v1(64.74,8.43)
  vias: v1(68.66,56.44)
CS_H: length 63.8
  Top w0.15: U9.16 69.04,55.94 68.25,55.14 v1(68.25,54.74)
  In1.Cu w0.15: v1(70.99,8.51) 71.49,9.01 77.25,9.01 v1(77.67,8.59)
  In2.Cu w0.15: v1(70.99,8.51) 69.41,10.09 69.41,11.14 70.48,12.21 70.48,20.93 70.27,21.13 70.27,24.38 69.02,25.63 69.02,29.51 68.66,29.87 68.66,30.89 69.01,31.24 69.01,41.33 69.41,41.73 69.41,44.12 68.63,44.89 v1(68.63,53.21) 68.63,54.36 v1(68.25,54.74)
  Bottom w0.15: v1(77.67,8.59) 79.18,10.09 79.18,11.1 77.92,12.35
CS_I: length 71.6
  Top w0.15: U9.31 73.94,59.03 73.94,58.12 74.21,57.85 75.27,57.85 76.28,56.84 76.28,54.26 v1(75.26,53.24)